# Altium PCB rv_ledbrick_8ch.PcbDoc (part 2 of 3) (continued)
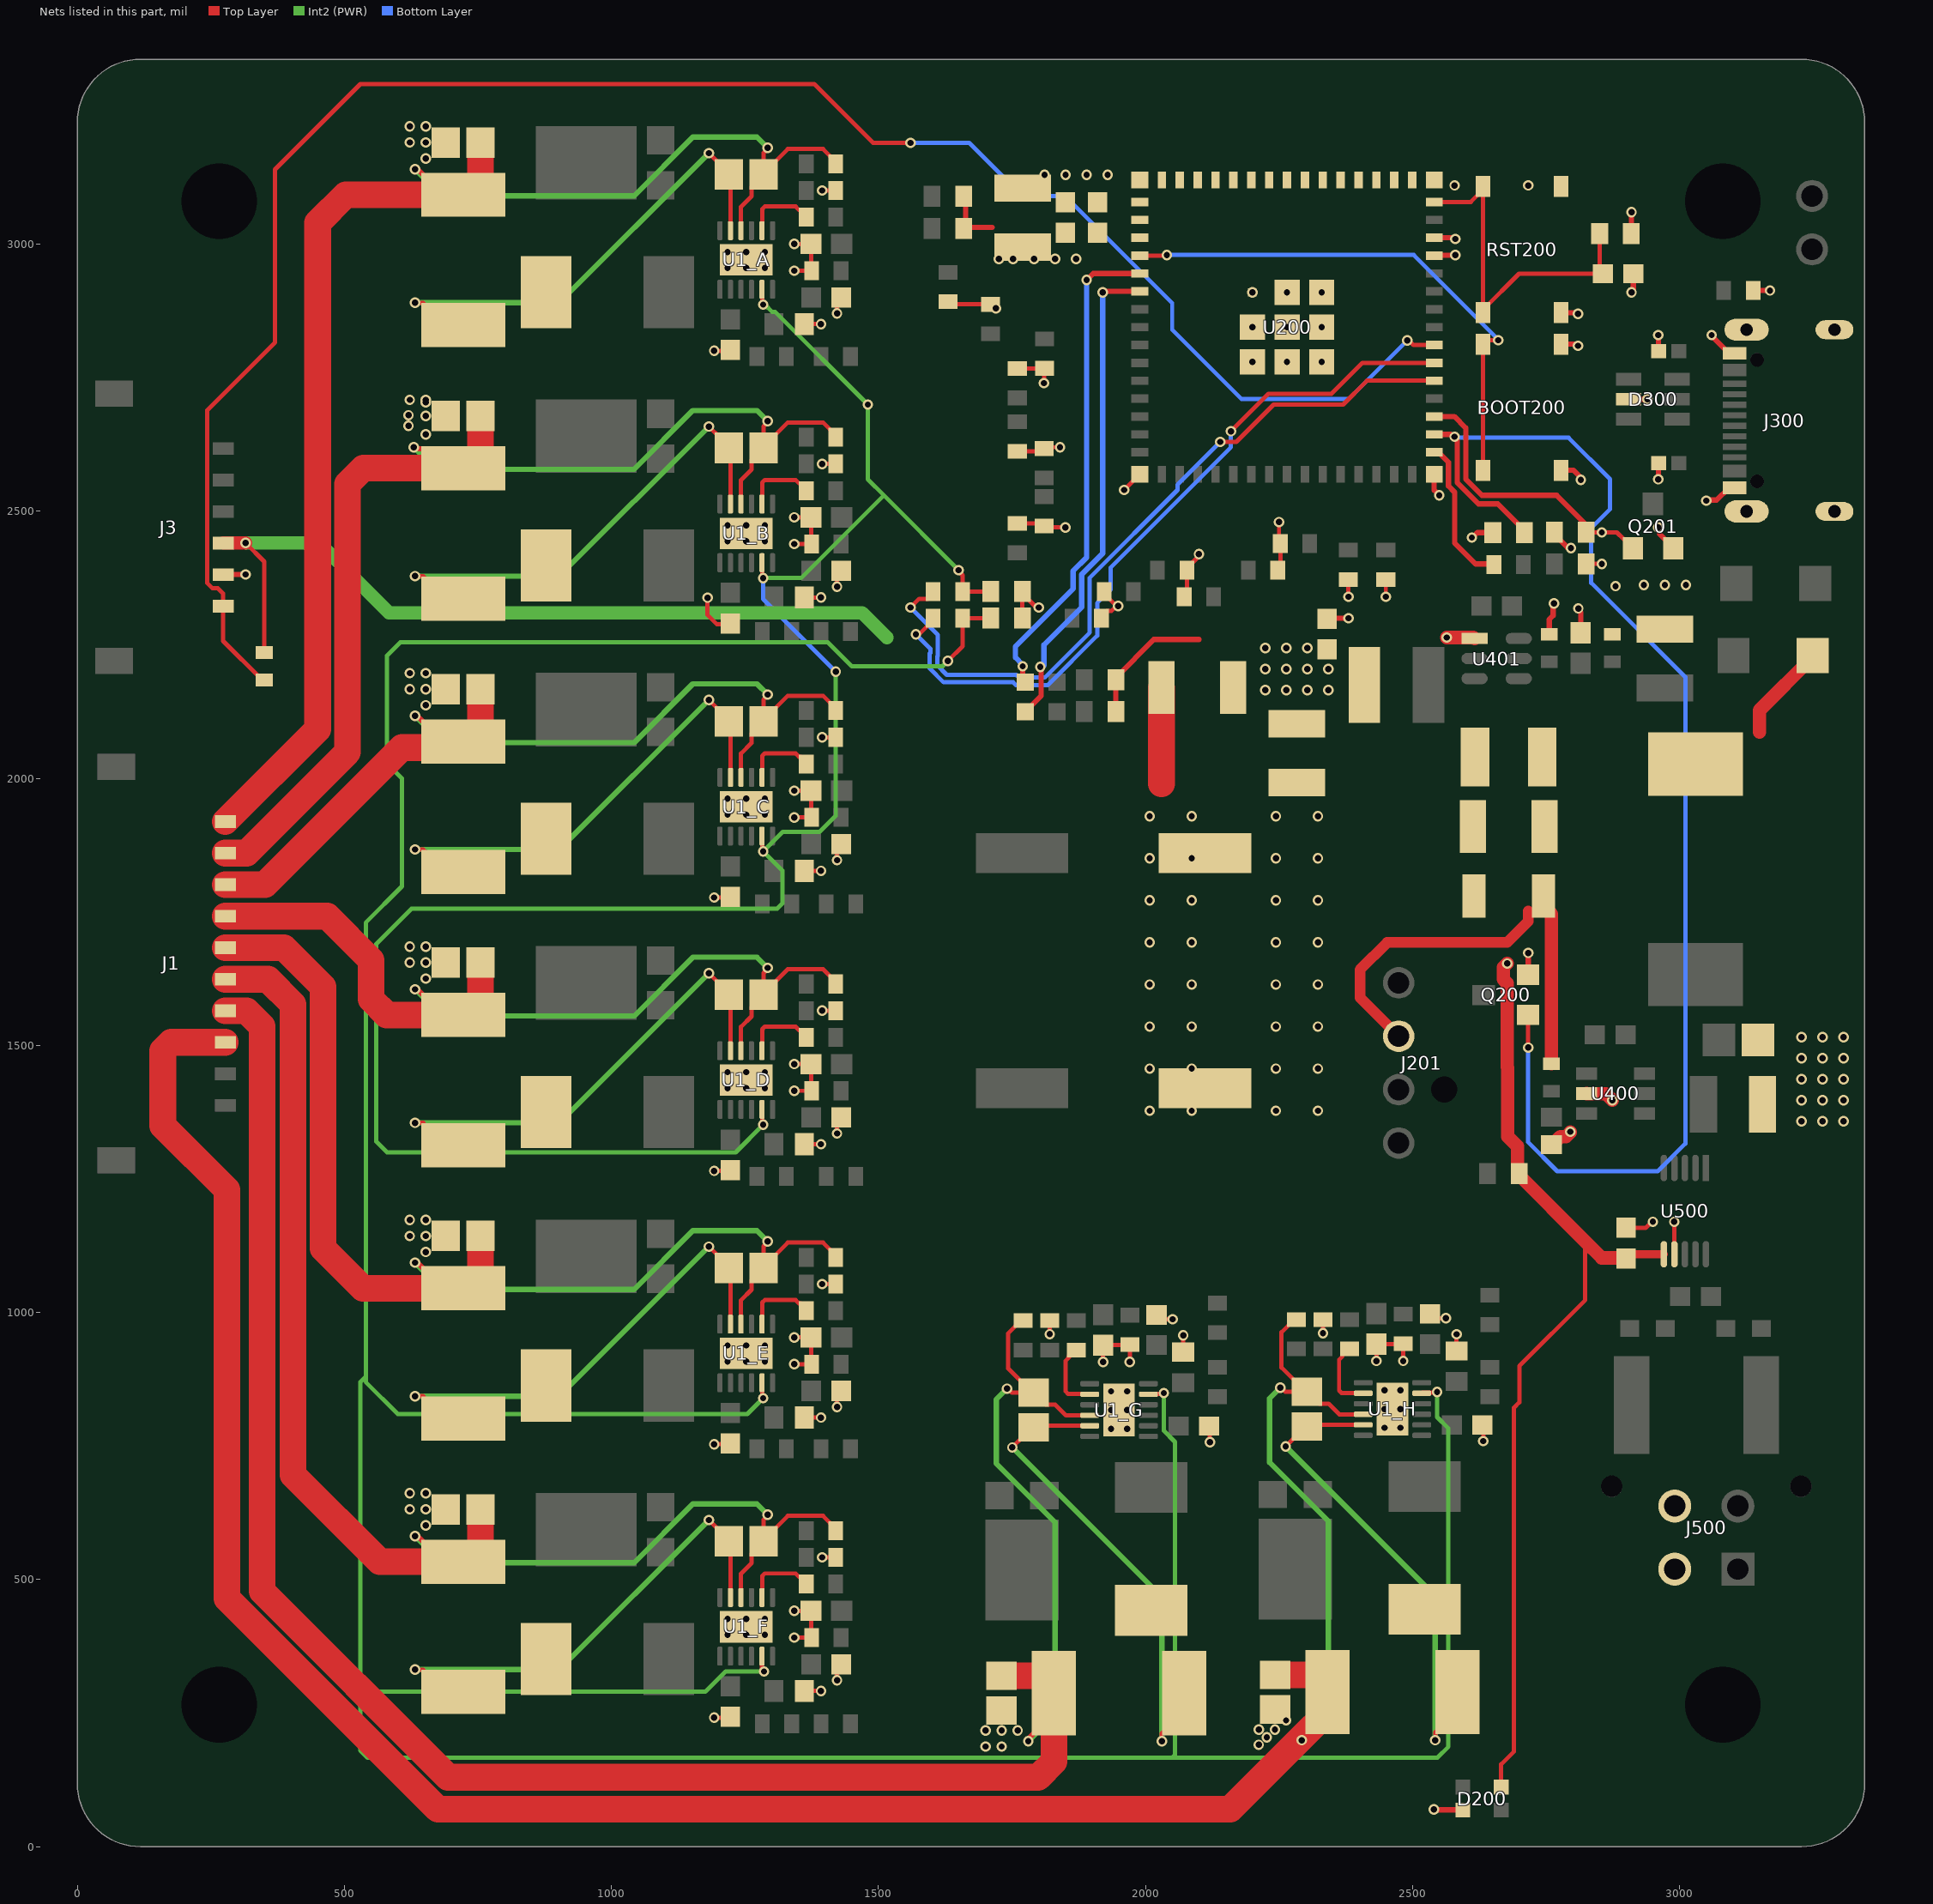
[diagram p4: the nets of this part, all layers, seen from the top]
## Part data (continued)
U500: library part CMP-015-00018-1, "Power Supply Support Circuit, Adjustable, 1 Channel, PDSO10"

## Free pads (board coordinates)
  round 0 hole 141.73 unplated: 2(265.75,265.75) 3(265.75,3080.71) 4(3080.71,265.75) 5(3080.71,3080.71)

## Via types
v1: diameter 19.68, hole 11.81, Top Layer to Bottom Layer, tented both sides, 556 vias

## Nets (pads, with @x,y where several pads share a name; then routed paths per layer and width w, separated by ;. In a path a pad name is that pad's centre, name@x,y a point inside that pad or via, vN(x,y) a via of type N, cw(c..) or ccw(c..) an arc to the next point about the centre after c; other vN are vias at no path point)
1W: J3.6 R10.1 U200.37 | length 3620.2
  Top Layer w8: R10.1@350,2184.41 346.06,2184.41 272.99,2257.48 J3.6@272.99,2322.36 272.99,2346.17 263.35,2355.82 252.95,2355.82 243.31,2365.46 243.31,2689.39 370,2816.08 370,3140 530,3300 1380,3300 1490,3190 v1(1560,3190) ; v1(2490,2820) 2493.16,2820 2501.67,2811.5 U200.37@2540.55,2811.5
  Bottom Layer w8: v1(1560,3190) 1670,3190 1770,3090 1850,3090 2050,2890 2050,2840 2180,2710 2380,2710 v1(2490,2820)
3V3: C200.1 C201.1 C202.2 C203.1 C405.2 C408.1 C409.1 C500.1 D200.4 J3.4 L401.2 R10.2 R201.2 R202.2 R204.2 R205.2 R206.2 R221.2 R226.2 R227.2 R230.2 R401.2 U200.3 U500.6 | length 4000.7
  Top Layer w8: J3.4@272.99,2440.47 J3.4@273.23,2440.71 ; v1@314.72,2440.71 v1(314.96,2440.94) 350,2405.91 R10.2@350,2235.59 ; R227.2@1769.53,2300 R226.2@1769.53,2346.06 ; R226.2@1769.53,2350 R226.2@1769.53,2346.06 ; v1(1800,2320) 1798.52,2321.48 1794.11,2321.48 R226.2@1769.53,2346.06 ; D200.4@2666.02,111.65 2666.02,154.2 2690,178.18 2690,822 2700,832 2700,900 2823.35,1023.35 2823.35,1133.35 ; R221.2@2824.8,2401.57 v1(2854.33,2401.57) ; C500.1@2899.02,1102.36 C500.1@2900,1101.38 C500.1@2907.88,1109.26
  Top Layer w10: R202.2@1663.39,3090.55 1663.39,3031.5 1712.6,3031.5 ; R206.2@1944.53,2125 R205.2@1944.53,2185 1944.53,2188.94 2015.59,2260 2100,2260 ; R401.2@2755.91,2269.68 2755.91,2297.65 2763.12,2304.86 2763.12,2325.64 v1(2764.97,2327.5) ; v1(2810.38,2318.25) 2810.38,2315.63 2814.96,2311.05 C408.1@2814.96,2272.67 ; R204.2@2909.53,3020 2910,3020.47 v1(2910,3060)
  Top Layer w15: C500.1@2907.88,1109.26 U500.6@2970.63,1109.26
  Top Layer w25: J3.4@273.23,2440.71 v1@314.72,2440.71 ; v1(2677.15,1653.53) 2670,1646.38 2670,1623.82 2677.04,1616.78 2677.04,1459.5 2678.19,1458.35 2678.19,1329.69 2696.28,1311.59 2696.28,1260.41 2823.35,1133.35 2854.33,1102.36 C500.1@2899.02,1102.36
  Int2 (PWR) w25: v1(314.96,2440.94) 452.76,2440.94 583.7,2310 1469.53,2310 1515.75,2263.78
  other v1: 2224.41,2165.35 2263.78,2165.35 2303.15,2165.35 2342.52,2165.35 2224.41,2204.72 2263.78,2204.72 2303.15,2204.72 2342.52,2204.72 2224.41,2244.09 2263.78,2244.09 2303.15,2244.09 1725.56,2972.44 1751.97,2972.44 1791.34,2972.44 1830.71,2972.44 1870.08,2972.44
12V: C403.1 C406.2 C407.1 D401.A J201.2 L400.2 R400.2 | length 1031.8
  Top Layer w20: J201.2@2474.02,1517.32 2401.57,1589.76 2401.57,1641.83 2452.66,1692.91 2677.17,1692.91 2716.54,1732.28 2716.54,1751.97
  Top Layer w25: C407.1@2744.96,1780 2744.96,1761.3 2760,1746.26 R400.2@2760,1465.59 ; 3149.61,2086.61 3149.61,2127.61 3249,2227 D401.A@3249,2230
BOOT: BOOT200.3 BOOT200.4 U200.4 | length 1005.9
  Top Layer w8: U200.4@1989.37,2978.82 2038.82,2978.82 v1(2040,2980) ; BOOT200.4@2632.17,2576.89 BOOT200.3@2632.17,2813.11 2639.46,2820.41 v1(2660.41,2820.41)
  Bottom Layer w8: v1(2040,2980) 2502.23,2980 2660.41,2821.82 v1(2660.41,2820.41)
COMP_A: R2_A.1 U1_A.8 | length 135.6
  Top Layer w8: U1_A.8@1281.97,3025.55 1282.44,3026.02 1282.44,3065.94 1287.13,3070.63 1344.88,3070.63 1351.17,3064.35 1355.1,3064.35 1364.88,3054.57 R2_A.1@1364.88,3050.63
COMP_B: R2_B.1 U1_B.8 | length 135.6
  Top Layer w8: U1_B.8@1281.97,2513.74 1282.44,2514.21 1282.44,2554.13 1287.13,2558.82 1344.88,2558.82 1351.17,2552.54 1355.1,2552.54 1364.88,2542.76 R2_B.1@1364.88,2538.82
COMP_C: R2_C.1 U1_C.8 | length 135.6
  Top Layer w8: U1_C.8@1281.97,2001.93 1282.44,2002.4 1282.44,2042.32 1287.13,2047.01 1344.88,2047.01 1351.17,2040.72 1355.1,2040.72 1364.88,2030.95 R2_C.1@1364.88,2027.01
COMP_D: R2_D.1 U1_D.8 | length 135.6
  Top Layer w8: U1_D.8@1281.97,1490.12 1282.44,1490.59 1282.44,1530.51 1287.13,1535.2 1344.88,1535.2 1351.17,1528.91 1355.1,1528.91 1364.88,1519.13 R2_D.1@1364.88,1515.2
COMP_E: R2_E.1 U1_E.8 | length 135.6
  Top Layer w8: U1_E.8@1281.97,978.31 1282.44,978.78 1282.44,1018.7 1287.13,1023.39 1344.88,1023.39 1351.17,1017.1 1355.1,1017.1 1364.88,1007.32 R2_E.1@1364.88,1003.39
COMP_F: R2_F.1 U1_F.8 | length 135.6
  Top Layer w8: U1_F.8@1281.97,466.5 1282.44,466.97 1282.44,506.89 1287.13,511.57 1344.88,511.57 1351.17,505.29 1355.1,505.29 1364.88,495.51 R2_F.1@1364.88,491.57
COMP_G: R2_G.1 U1_G.8 | length 135.6
  Top Layer w8: R2_G.1@1870.63,929.92 1866.69,929.92 1856.91,920.14 1856.91,916.2 1850.63,909.92 1850.63,852.17 1855.32,847.48 1895.24,847.48 U1_G.8@1895.71,847.01
COMP_H: R2_H.1 U1_H.8 | length 135.6
  Top Layer w8: R2_H.1@2382.44,931.81 2378.5,931.81 2368.72,922.03 2368.72,918.09 2362.44,911.81 2362.44,854.06 2367.13,849.37 2407.05,849.37 U1_H.8@2407.52,848.9
CSN_A: C1_A.2 L1_A.2 R1_A.1 U1_A.11 | length 831.9
  Top Layer w8: v1(632.44,2890.63) 647.7,2890.63 662.44,2875.89 R1_A.1@662.44,2860.63 ; v1(1182.44,3170.63) C1_A.2@1202.44,3150.63 ; C1_A.2@1219.96,3110.63 1222.91,3107.68 U1_A.11@1222.91,3025.55
  Int2 (PWR) w10: v1(632.44,2890.63) 902.44,2890.63 v1(1182.44,3170.63)
CSN_B: C1_B.2 L1_B.2 R1_B.1 U1_B.11 | length 831.9
  Top Layer w8: v1(632.44,2378.82) 647.7,2378.82 662.44,2364.08 R1_B.1@662.44,2348.82 ; v1(1182.44,2658.82) C1_B.2@1202.44,2638.82 ; C1_B.2@1219.96,2598.82 1222.91,2595.87 U1_B.11@1222.91,2513.74
  Int2 (PWR) w10: v1(632.44,2378.82) 902.44,2378.82 v1(1182.44,2658.82)
CSN_C: C1_C.2 L1_C.2 R1_C.1 U1_C.11 | length 831.9
  Top Layer w8: v1(632.44,1867.01) 647.7,1867.01 662.44,1852.27 R1_C.1@662.44,1837.01 ; v1(1182.44,2147.01) C1_C.2@1202.44,2127.01 ; C1_C.2@1219.96,2087.01 1222.91,2084.06 U1_C.11@1222.91,2001.93
  Int2 (PWR) w10: v1(632.44,1867.01) 902.44,1867.01 v1(1182.44,2147.01)
CSN_D: C1_D.2 L1_D.2 R1_D.1 U1_D.11 | length 831.9
  Top Layer w8: v1(632.44,1355.2) 647.7,1355.2 662.44,1340.46 R1_D.1@662.44,1325.2 ; v1(1182.44,1635.2) C1_D.2@1202.44,1615.2 ; C1_D.2@1219.96,1575.2 1222.91,1572.24 U1_D.11@1222.91,1490.12
  Int2 (PWR) w10: v1(632.44,1355.2) 902.44,1355.2 v1(1182.44,1635.2)
CSN_E: C1_E.2 L1_E.2 R1_E.1 U1_E.11 | length 831.9
  Top Layer w8: v1(632.44,843.39) 647.7,843.39 662.44,828.65 R1_E.1@662.44,813.39 ; v1(1182.44,1123.39) C1_E.2@1202.44,1103.39 ; C1_E.2@1219.96,1063.39 1222.91,1060.43 U1_E.11@1222.91,978.31
  Int2 (PWR) w10: v1(632.44,843.39) 902.44,843.39 v1(1182.44,1123.39)
CSN_F: C1_F.2 L1_F.2 R1_F.1 U1_F.11 | length 831.9
  Top Layer w8: v1(632.44,331.57) 647.7,331.57 662.44,316.83 R1_F.1@662.44,301.57 ; v1(1182.44,611.57) C1_F.2@1202.44,591.57 ; C1_F.2@1219.96,551.57 1222.91,548.62 U1_F.11@1222.91,466.5
  Int2 (PWR) w10: v1(632.44,331.57) 902.44,331.57 v1(1182.44,611.57)
CSN_G: C1_G.2 L1_G.2 R1_G.1 U1_G.11 | length 831.9
  Top Layer w8: v1(1750.63,747.48) C1_G.2@1770.63,767.48 ; C1_G.2@1810.63,785 1813.58,787.95 U1_G.11@1895.71,787.95 ; v1(2030.63,197.48) 2030.63,212.74 2045.37,227.48 R1_G.1@2060.63,227.48
  Int2 (PWR) w10: v1(1750.63,747.48) 2030.63,467.48 v1(2030.63,197.48)
CSN_H: C1_H.2 L1_H.2 R1_H.1 U1_H.11 | length 831.9
  Top Layer w8: v1(2262.44,749.37) C1_H.2@2282.44,769.37 ; C1_H.2@2322.44,786.89 2325.39,789.84 U1_H.11@2407.52,789.84 ; v1(2542.44,199.37) 2542.44,214.63 2557.18,229.37 R1_H.1@2572.44,229.37
  Int2 (PWR) w10: v1(2262.44,749.37) 2542.44,469.37 v1(2542.44,199.37)
CSP_A: C1_A.1 C3_A.2 J1.1 R1_A.2 R4_A.2 U1_A.10 | length 2710
  Top Layer w8: R1_A.2@754.92,3128.15 R1_A.2@762.44,3120.63 ; U1_A.10@1242.6,3025.55 1242.6,3070.34 1262.35,3090.09 1262.35,3108.06 C1_A.1@1284.92,3130.63 C1_A.1@1284.92,3133.11 ; v1(1292.44,3180.63) 1292.44,3178.69 1284.92,3171.17 C1_A.1@1284.92,3133.11 ; R4_A.2@1420,3150.63 1420,3154.57 1396.22,3178.35 1330.16,3178.35 C1_A.1@1284.92,3133.11
  Top Layer w10: v1(632.44,3140.63) 633.54,3139.53 638.19,3139.53 R1_A.2@685.04,3092.68
  Top Layer w50: J1.1@277.17,1919.29 450,2092.13 450,3040 502.68,3092.68 685.04,3092.68 R1_A.2@722.44,3092.68 ; R1_A.2@754.92,3128.15 C3_A.2@754.92,3190.63
  Int2 (PWR) w10: v1(632.44,3140.63) 682.44,3090.63 1042.44,3090.63 1152.44,3200.63 1272.44,3200.63 v1(1292.44,3180.63)
CSP_B: C1_B.1 C3_B.2 J1.2 R1_B.2 R4_B.2 U1_B.10 | length 2259.2
  Top Layer w8: R1_B.2@754.92,2616.34 R1_B.2@762.44,2608.82 ; U1_B.10@1242.6,2513.74 1242.6,2558.53 1262.35,2578.28 1262.35,2596.24 C1_B.1@1284.92,2618.82 C1_B.1@1284.92,2621.3 ; v1(1292.44,2668.82) 1292.44,2666.88 1284.92,2659.36 C1_B.1@1284.92,2621.3 ; R4_B.2@1420,2638.82 1420,2642.76 1396.22,2666.54 1330.16,2666.54 C1_B.1@1284.92,2621.3
  Top Layer w10: v1(630,2620) 632.62,2620 635.42,2617.2 648.7,2617.2 R1_B.2@685.04,2580.87
  Top Layer w50: J1.2@277.17,1860.24 317.21,1860.24 506,2049.02 506,2551.58 535.29,2580.87 685.04,2580.87 R1_B.2@722.44,2580.87 ; R1_B.2@754.92,2616.34 C3_B.2@754.92,2678.82
  Int2 (PWR) w10: v1(630,2620) 671.18,2578.82 1042.44,2578.82 1152.44,2688.82 1272.44,2688.82 v1(1292.44,2668.82)
CSP_C: C1_C.1 C3_C.2 J1.3 R1_C.2 R4_C.2 U1_C.10 | length 1742.3
  Top Layer w8: R1_C.2@754.92,2104.53 R1_C.2@762.44,2097.01 ; U1_C.10@1242.6,2001.93 1242.6,2046.72 1262.35,2066.46 1262.35,2084.43 C1_C.1@1284.92,2107.01 C1_C.1@1284.92,2109.49 ; v1(1292.44,2157.01) 1292.44,2155.07 1284.92,2147.55 C1_C.1@1284.92,2109.49 ; R4_C.2@1420,2127.01 1420,2130.95 1396.22,2154.72 1330.16,2154.72 C1_C.1@1284.92,2109.49
  Top Layer w10: v1(632.44,2117.01) 633.54,2115.91 638.19,2115.91 R1_C.2@685.04,2069.06
  Top Layer w50: J1.3@277.17,1801.18 351.18,1801.18 607.68,2057.68 673.66,2057.68 R1_C.2@685.04,2069.06 ; R1_C.2@754.92,2104.53 C3_C.2@754.92,2167.01
  Int2 (PWR) w10: v1(632.44,2117.01) 682.44,2067.01 1042.44,2067.01 1152.44,2177.01 1272.44,2177.01 v1(1292.44,2157.01)
CSP_D: C1_D.1 C3_D.2 J1.4 R1_D.2 R4_D.2 U1_D.10 | length 1788.4
  Top Layer w8: R1_D.2@754.92,1592.72 R1_D.2@762.44,1585.2 ; U1_D.10@1242.6,1490.12 1242.6,1534.91 1262.35,1554.65 1262.35,1572.62 C1_D.1@1284.92,1595.2 C1_D.1@1284.92,1597.68 ; v1(1292.44,1645.2) 1292.44,1643.26 1284.92,1635.74 C1_D.1@1284.92,1597.68 ; R4_D.2@1420,1615.2 1420,1619.13 1396.22,1642.91 1330.16,1642.91 C1_D.1@1284.92,1597.68
  Top Layer w10: v1(632.44,1605.2) 633.54,1604.1 638.19,1604.1 R1_D.2@685.04,1557.24
  Top Layer w50: J1.4@277.17,1742.13 467.87,1742.13 550,1660 550,1586.53 579.29,1557.24 685.04,1557.24 R1_D.2@722.44,1557.24 ; R1_D.2@754.92,1592.72 C3_D.2@754.92,1655.2
  Int2 (PWR) w10: v1(632.44,1605.2) 682.44,1555.2 1042.44,1555.2 1152.44,1665.2 1272.44,1665.2 v1(1292.44,1645.2)
CSP_E: C1_E.1 C3_E.2 J1.5 R1_E.2 R4_E.2 U1_E.10 | length 2219.9
  Top Layer w8: R1_E.2@754.92,1080.91 R1_E.2@762.44,1073.39 ; U1_E.10@1242.6,978.31 1242.6,1023.09 1262.35,1042.84 1262.35,1060.81 C1_E.1@1284.92,1083.39 C1_E.1@1284.92,1085.87 ; v1(1292.44,1133.39) 1292.44,1131.45 1284.92,1123.93 C1_E.1@1284.92,1085.87 ; R4_E.2@1420,1103.39 1420,1107.32 1396.22,1131.1 1330.16,1131.1 C1_E.1@1284.92,1085.87
  Top Layer w10: v1(632.44,1093.39) 633.54,1092.29 638.19,1092.29 R1_E.2@685.04,1045.43
  Top Layer w50: J1.5@277.17,1683.07 386.93,1683.07 460,1610 460,1120 534.57,1045.43 685.04,1045.43 R1_E.2@722.44,1045.43 ; R1_E.2@754.92,1080.91 C3_E.2@754.92,1143.39
  Int2 (PWR) w10: v1(632.44,1093.39) 682.44,1043.39 1042.44,1043.39 1152.44,1153.39 1272.44,1153.39 v1(1292.44,1133.39)
CSP_F: C1_F.1 C3_F.2 J1.6 R1_F.2 R4_F.2 U1_F.10 | length 2636.4
  Top Layer w8: R1_F.2@754.92,569.09 R1_F.2@762.44,561.57 ; U1_F.10@1242.6,466.5 1242.6,511.28 1262.35,531.03 1262.35,549 C1_F.1@1284.92,571.57 C1_F.1@1284.92,574.06 ; v1(1292.44,621.57) 1292.44,619.64 1284.92,612.12 C1_F.1@1284.92,574.06 ; R4_F.2@1420,591.57 1420,595.51 1396.22,619.29 1330.16,619.29 C1_F.1@1284.92,574.06
  Top Layer w10: v1(632.44,581.57) 633.54,580.48 638.19,580.48 R1_F.2@685.04,533.62
  Top Layer w50: J1.6@277.17,1624.02 356.94,1624.02 404,1576.96 404,696 566.38,533.62 685.04,533.62 R1_F.2@722.44,533.62 ; R1_F.2@754.92,569.09 C3_F.2@754.92,631.57
  Int2 (PWR) w10: v1(632.44,581.57) 682.44,531.57 1042.44,531.57 1152.44,641.57 1272.44,641.57 v1(1292.44,621.57)
CSP_G: C1_G.1 C3_G.2 J1.7 R1_G.2 R4_G.2 U1_G.10 | length 4129
  Top Layer w8: v1(1740.63,857.48) 1742.57,857.48 1750.09,849.96 C1_G.1@1788.15,849.96 ; R4_G.2@1770.63,985.04 1766.69,985.04 1742.91,961.26 1742.91,895.2 C1_G.1@1788.15,849.96 ; R1_G.2@1793.11,319.96 R1_G.2@1800.63,327.48 ; U1_G.10@1895.71,807.64 1850.92,807.64 1831.17,827.39 1813.2,827.39 C1_G.1@1790.63,849.96 C1_G.1@1788.15,849.96
  Top Layer w10: v1(1780.63,197.48) 1781.73,198.58 1781.73,203.23 R1_G.2@1828.58,250.08
  Top Layer w50: J1.7@277.17,1564.96 316.59,1564.96 345.88,1535.67 345.88,478.31 694.2,130 1799.29,130 1828.58,159.29 1828.58,250.08 R1_G.2@1828.58,287.48 ; C3_G.2@1730.63,319.96 R1_G.2@1793.11,319.96
  Int2 (PWR) w10: v1(1740.63,857.48) 1720.63,837.48 1720.63,717.48 1830.63,607.48 1830.63,247.48 v1(1780.63,197.48)
CSP_H: C1_H.1 C3_H.2 J1.8 R1_H.2 R4_H.2 U1_H.10 | length 4686.2
  Top Layer w8: v1(2252.44,859.37) 2254.38,859.37 2261.9,851.85 C1_H.1@2299.96,851.85 ; R4_H.2@2282.44,986.93 2278.5,986.93 2254.72,963.15 2254.72,897.09 C1_H.1@2299.96,851.85 ; R1_H.2@2304.92,321.85 R1_H.2@2312.44,329.37 ; U1_H.10@2407.52,809.53 2362.73,809.53 2342.98,829.28 2325.02,829.28 C1_H.1@2302.44,851.85 C1_H.1@2299.96,851.85
  Top Layer w50: J1.8@277.17,1505.91 175.91,1505.91 160,1490 160,1350 280,1230 280,465 675,70 2158.43,70 2290.12,201.69 2340.39,251.97 R1_H.2@2340.39,289.37 ; C3_H.2@2242.44,321.85 R1_H.2@2304.92,321.85
  Int2 (PWR) w10: v1(2252.44,859.37) 2232.44,839.37 2232.44,719.37 2342.44,609.37 2342.44,249.37 v1(2292.44,199.37)
EN: C206.1 R204.1 RST200.3 RST200.4 U200.45 | length 666.9
  Top Layer w8: U200.45@2540.55,3079.21 2609.17,3079.21 RST200.3@2632.17,3102.2 ; RST200.4@2632.17,2871.89 RST200.4@2632.17,2877.8 ; RST200.3@2632.17,3108.11 RST200.3@2632.17,3102.2 ; R204.1@2850.47,3020 2850.47,2950.91 C206.1@2856.38,2945 2699.37,2945 RST200.4@2632.17,2877.8 ; RST200.4@2632.17,2877.8 RST200.3@2632.17,3102.2
F1: R226.1 R228.2 U1_A.5 U1_B.5 U1_C.5 U1_D.5 | length 3854.5
  Top Layer w8: U1_D.5@1281.97,1380.28 1282.89,1379.35 1282.89,1352.94 v1(1284.24,1351.59) ; U1_C.5@1281.97,1892.09 1282.89,1891.17 1282.89,1864.75 v1(1284.24,1863.4) ; U1_B.5@1281.97,2403.9 1282.89,2402.98 1282.89,2376.56 v1(1284.24,2375.21) ; U1_A.5@1281.97,2915.71 1282.89,2914.79 1282.89,2888.37 v1(1284.24,2887.02) ; v1(1650,2390) 1650,2387.9 1657.56,2380.34 R228.2@1657.56,2350 R226.1@1710.47,2350
  Int2 (PWR) w8: v1@1283.26,1860 1283.26,1862.42 1320.84,1900 1390,1900 1420,1930 v1(1420,2200) ; v1(1284.24,1351.59) 1232.65,1300 580,1300 560,1320 560,1690.31 625.86,1756.17 1310.31,1756.17 1320,1765.86 1320,1827.64 v1(1284.24,1863.4) ; v1(1284.24,2375.21) 1355.21,2375.21 1510,2530 ; v1(1284.24,2887.02) 1287.32,2887.02 1301.22,2873.12 1306.88,2873.12 v1(1480,2700) 1480,2560 1510,2530 ; v1(1650,2390) 1510,2530
  Bottom Layer w8: v1(1284.24,2375.21) 1284.24,2335.76 v1(1420,2200)
F2: R227.1 R229.2 U1_E.5 U1_F.5 U1_G.5 U1_H.5 | length 8420.7
  Top Layer w8: U1_F.5@1281.97,356.65 1281.97,331.84 v1(1285.73,328.08) ; U1_E.5@1281.97,868.46 1282.89,867.54 1282.89,841.13 v1(1284.24,839.78) ; v1(1630,2220) 1657.56,2247.56 R229.2@1657.56,2300 R227.1@1710.47,2300 ; U1_G.5@2005.55,847.01 2006.47,847.93 2032.89,847.93 v1(2034.24,849.28) ; U1_H.5@2517.36,848.9 2518.28,849.82 2544.7,849.82 v1(2546.05,851.17)
  Int2 (PWR) w8: v1(1284.24,839.78) 1254.46,810 600,810 540,870 540,880 ; v1(1285.73,328.08) 1213.86,328.08 1175.78,290 530,290 ; v1(1630,2220) 1620,2210 1450,2210 1405,2255 605,2255 580,2230 580,2027.85 607.85,2000 607.85,1797.85 540,1730 540,880 ; v1(2034.24,849.28) 2034.24,778.78 2055.31,757.71 2055.31,171.95 2050,166.64 ; v1(2546.05,851.17) 2546.05,804.38 2567.13,783.31 2567.13,187.13 2546.64,166.64 2050,166.64 ; 530,290 530,870 540,880 ; 530,290 530,180 543.36,166.64 2050,166.64
FANPWM: Q201.1 R222.2 U200.33 | length 533
  Top Layer w8: R222.2@2824.8,2460.63 v1(2854.33,2460.63) 2882.6,2460.63 2895.6,2447.63 2897.6,2447.63 2912.6,2432.63 Q201.1@2912.6,2430.63
  Top Layer w10: U200.33@2540.55,2677.64 2578.27,2677.64 2599.58,2656.32 2599.58,2560.45 2630.03,2530 2770,2530 R222.2@2830,2470
FANPWR: Q200.1 R223.2 U200.32 | length 2527
  Top Layer w8: v1(2716.54,1496.06) Q200.1@2716.54,1557.09
  Top Layer w10: U200.32@2540.55,2644.17 2571.71,2644.17 2576.18,2639.7 v1(2578.74,2639.7) 2578.74,2637.08 2583.58,2632.24 2583.58,2553.82 2623.41,2514 2659.46,2514 2709.53,2463.94 R223.2@2709.53,2460
  Bottom Layer w8: v1(2578.74,2639.7) 2580.65,2637.8 2792.2,2637.8 2869.84,2560.16 2869.84,2504.2 2834.49,2468.85 2834.49,2366.04 3010.76,2189.78 3010.76,1316.31 2958.97,1264.53 2770.91,1264.53 2716.54,1318.9 v1(2716.54,1496.06)
FANTACH: R224.1 U200.31 | length 277.4
  Top Layer w10: U200.31@2540.55,2610.71 2543.43,2607.83 2551.3,2607.83 2567.3,2591.83 2567.3,2547.48 2578.74,2536.04 2578.74,2440.94 2618.11,2401.57 R224.1@2649.61,2401.57
FAULT1: R228.1 U200.35 | length 1423
  Top Layer w8: v1(1560,2320) 1576.28,2336.28 1592.66,2336.28 1602.44,2346.06 R228.1@1602.44,2350 ; v1(2140,2630) 2170,2630 2240,2700 2370,2700 2414.57,2744.57 U200.35@2540.55,2744.57
  Bottom Layer w8: v1(1560,2320) 1611.01,2268.99 1611.01,2229.07 1610.16,2228.22 1610.16,2211.78 1627.94,2194 1757.94,2194 1763.22,2188.72 1811.2,2188.72 1895.61,2273.12 1895.61,2375.61 2060,2540 2060,2550 v1(2140,2630)
FAULT2: R229.1 U200.36 | length 1407.5
  Top Layer w8: v1(1570,2270) 1572.24,2272.24 1578.61,2272.24 1602.44,2296.06 R229.1@1602.44,2300 ; v1(2160,2650) 2230,2720 2348.23,2720 2406.26,2778.03 U200.36@2540.55,2778.03
  Bottom Layer w8: v1(1570,2270) 1597.01,2242.99 1597.01,2234.87 1596.16,2234.02 1596.16,2205.98 1622.14,2180 1641.94,2180 1752.14,2180 1757.42,2174.72 1817,2174.72 1909.61,2267.32 1909.61,2328.39 1935,2353.79 1935,2395 2160,2620 v1(2160,2650)
GND: BOOT200.1 BOOT200.2 C2_A.1 C2_B.1 C2_C.1 C2_D.1 C2_E.1 C2_F.1 C2_G.1 C2_H.1 C3_A.1 C3_B.1 C3_C.1 C3_D.1 C3_E.1 C3_F.1 C3_G.1 C3_H.1 C4_A.2 C4_B.2 C4_C.2 C4_D.2 C4_E.2 C4_F.2 C4_G.2 C4_H.2 C5.1 C6.1 C200.2 C201.2 C202.1 C203.2 C206.2 C400.1 C402.1 C403.2 C405.1 C406.1 C407.2 C409.2 C410.1 C500.2 D200.2 D300.2 J3.5 J300.A1_B12 J300.B1_A12 J300.SH1 J300.SH2 J300.SH3 J300.SH4 J500.2 J500.4 Q200.2 Q201.2 R3_A.1 R3_B.1 R3_C.1 R3_D.1 R3_E.1 R3_F.1 R3_G.1 R3_H.1 R5_A.1 R5_B.1 R5_C.1 R5_D.1 R5_E.1 R5_F.1 R5_G.1 R5_H.1 R6_A.1 R6_B.1 R6_C.1 R6_D.1 R6_E.1 R6_F.1 R6_G.1 R6_H.1 R7_A.1 R7_B.1 R7_C.1 R7_D.1 R7_E.1 R7_F.1 R7_G.1 R7_H.1 R200.1 R203.1 R207.1 R208.1 R209.1 R210.1 R211.1 R212.1 R213.1 R214.1 R215.1 R216.1 R217.1 R218.1 R219.1 R220.1 R222.1 R223.1 R225.1 R300.1 R301.1 R402.1 R403.1 RST200.1 RST200.2 U1_A.13 U1_B.13 U1_C.13 U1_D.13 U1_E.13 U1_F.13 U1_G.13 U1_H.13 U200.1 U200.2 U200.42 U200.43 U200.46 U200.47 U200.48 U200.49 U200.50 U200.51 U200.52 U200.53 U200.54 U200.55 U200.56 U200.57 U200.58 U200.59 U200.60 U200.61 U200.61_1 U200.61_2 U200.61_3 U200.61_4 U200.61_5 U200.61_6 U200.61_7 U200.61_8 U200.62 U200.63 U200.64 U200.65 U400.2 U401.1 U500.7 | length 3981
  Top Layer w8: v1(1180,2338.34) 1180,2305.95 1197.13,2288.82 1221.06,2288.82 C2_B.1@1222.44,2290.2 ; v1(1192.44,241.57) 1221.06,241.57 C2_F.1@1222.44,242.95 ; v1(1192.44,753.39) 1221.06,753.39 C2_E.1@1222.44,754.76 ; v1(1192.44,1265.2) 1221.06,1265.2 C2_D.1@1222.44,1266.58 ; v1(1192.44,1777.01) 1221.06,1777.01 C2_C.1@1222.44,1778.39 ; v1(1192.44,2800.63) 1221.06,2800.63 C2_A.1@1222.44,2802.01 ; v1(1342.44,391.57) R3_F.1@1374.88,391.57 1373.86,392.59 C4_F.2@1373.86,441.57 v1(1342.44,441.57) ; v1(1342.44,903.39) R3_E.1@1374.88,903.39 1373.86,904.4 C4_E.2@1373.86,953.39 v1(1342.44,953.39) ; v1(1342.44,1415.2) R3_D.1@1374.88,1415.2 1373.86,1416.21 C4_D.2@1373.86,1465.2 v1(1342.44,1465.2) ; v1(1342.44,1927.01) R3_C.1@1374.88,1927.01 1373.86,1928.03 C4_C.2@1373.86,1977.01 v1(1342.44,1977.01) ; v1(1342.44,2438.82) R3_B.1@1374.88,2438.82 1373.86,2439.84 C4_B.2@1373.86,2488.82 v1(1342.44,2488.82) ; v1(1342.44,2950.63) R3_A.1@1374.88,2950.63 1373.86,2951.65 C4_A.2@1373.86,3000.63 v1(1342.44,3000.63) ; R6_F.1@1360.98,291.57 v1(1392.44,291.57) ; R6_E.1@1360.98,803.39 v1(1392.44,803.39) ; R6_D.1@1360.98,1315.2 v1(1392.44,1315.2) ; R6_C.1@1360.98,1827.01 v1(1392.44,1827.01) ; R6_B.1@1360.98,2338.82 v1(1392.44,2338.82) ; R6_A.1@1360.98,2850.63 v1(1392.44,2850.63) ; v1(1394.5,541.57) R7_F.1@1420,541.57 ; v1(1394.5,1053.39) R7_E.1@1420,1053.39 ; v1(1394.5,1565.2) R7_D.1@1420,1565.2 ; v1(1394.5,2077.01) R7_C.1@1420,2077.01 ; v1(1394.5,2588.82) R7_B.1@1420,2588.82 ; v1(1394.5,3100.63) R7_A.1@1420,3100.63 ; v1(1422.44,311.57) 1422.44,333.41 R5_F.1@1430.61,341.57 ; v1(1422.44,823.39) 1422.44,845.22 R5_E.1@1430.61,853.39 ; v1(1422.44,1335.2) 1422.44,1357.03 R5_D.1@1430.61,1365.2 ; v1(1422.44,1847.01) 1422.44,1868.84 R5_C.1@1430.61,1877.01 ; v1(1422.44,2358.82) 1422.44,2380.65 R5_B.1@1430.61,2388.82 ; v1(1422.44,2870.63) 1422.44,2892.46 R5_A.1@1430.61,2900.63 ; R203.1@1620,2887.56 R200.1@1710,2887.56 1717.56,2880 v1(1719.84,2880) ; R211.1@1760,2477.56 1804.88,2477.56 R212.1@1810,2472.44 1812.44,2470 v1(1850,2470) ; R210.1@1760,2612.44 1804.88,2612.44 R209.1@1810,2617.56 1812.44,2620 v1(1840,2620) ; R207.1@1760,2767.56 1760.16,2767.72 R208.1@1811.02,2767.72 1810,2766.69 v1(1810,2740) ; v1(1820.63,959.54) R7_G.1@1820.63,985.04 ; R214.1@1917.56,2300 1917.56,2303.94 1927.34,2313.72 1936.54,2313.72 v1@1945.66,2322.83 ; v1(1920.63,907.48) C4_G.2@1920.63,938.9 1969.61,938.9 R3_G.1@1970.63,939.92 v1(1970.63,907.48) ; R213.1@1922.44,2350 1922.44,2346.06 v1@1945.67,2322.83 ; v1(1960,2540) U200.63@1989.37,2569.37 ; R5_G.1@2020.63,995.65 2028.8,987.48 v1(2050.63,987.48) ; R6_G.1@2070.63,926.02 v1(2070.63,957.48) ; R215.1@2072.44,2340 2077.56,2345.12 R216.1@2077.56,2390 2077.56,2393.94 2098.52,2414.9 2098.52,2418.52 v1(2100,2420) ; C2_G.1@2119.25,787.48 2120.63,786.1 v1(2120.63,757.48) ; R218.1@2247.56,2390 2252.44,2394.88 R217.1@2252.44,2440 2250,2442.44 v1(2250,2480) ; v1(2332.44,961.43) R7_H.1@2332.44,986.93 ; v1(2380,2340) R220.1@2380,2372.44 ; v1(2432.44,909.37) C4_H.2@2432.44,940.79 2481.42,940.79 R3_H.1@2482.44,941.81 v1(2482.44,909.37) ; v1(2450,2340) R219.1@2450,2372.44 ; R5_H.1@2532.44,997.54 2540.61,989.37 v1(2562.44,989.37) ; R6_H.1@2582.44,927.91 v1(2582.44,959.37) ; C2_H.1@2631.06,789.37 2632.44,787.99 v1(2632.44,759.37) ; C500.2@2900,1158.62 2936.53,1158.62 2947.9,1170 v1(2950,1170) ; v1(2990,1170) 2990.16,1169.84 2990.16,1109.42 U500.7@2990.32,1109.26 ; v1@1945.66,2322.83 v1(1948.82,2322.83) v1@1945.67,2322.83
  Top Layer w10: J3.5@272.99,2381.42 273.23,2381.65 314.72,2381.65 v1(314.96,2381.89) ; C200.2@2340,2298.62 2341.38,2300 v1(2380,2300) ; v1(2540,70) 2540.83,69.17 2593.15,69.17 D200.2@2593.98,68.35 ; U200.64@2540.55,2569.37 2540.55,2539.45 v1(2550,2530) ; U200.42@2540.55,2978.82 2541.14,2979.41 2579.41,2979.41 v1(2580,2980) ; U200.43@2540.55,3012.28 2576.16,3012.28 2578.44,3010 v1(2580,3010) ; v1(2610.97,2450.97) 2612.27,2450.97 2621.3,2460 R223.1@2650.47,2460 ; Q200.2@2716.54,1632.49 v1(2716.54,1673.23) ; R222.1@2765.75,2460.63 2765.75,2456.69 2789.49,2432.96 2794.79,2432.96 v1(2796.64,2431.1) ; BOOT200.2@2777.83,2576.89 2801.55,2576.89 2813.11,2565.34 2813.11,2560.91 v1(2814.96,2559.06) ; BOOT200.1@2777.83,2813.11 2805.33,2813.11 2808.44,2810 v1(2810,2810) ; RST200.2@2777.83,2871.89 2806.55,2871.89 2808.44,2870 v1(2810,2870) ; D300.2@2904.72,2710 v1(2940,2710) ; v1(2910,2910) 2910,2911.56 2913.62,2915.18 C206.2@2913.62,2945 ; v1(2960,2470) 2961.85,2468.15 2961.85,2458.78 2988,2432.63 Q201.2@2988,2430.63 ; v1(2960,2560) 2960.58,2560.58 2960.58,2589.42 R300.1@2961.16,2590 ; v1(2960,2830) 2960.58,2829.42 2960.58,2800.58 R301.1@2961.16,2800 ; v1(3050,2520) 3051.1,2521.1 3069.45,2521.1 3092.36,2544.02 J300.A1_B12@3102.99,2544.02 ; v1(3060,2830) 3061.1,2828.9 3061.1,2827.25 3092.36,2795.98 J300.B1_A12@3102.99,2795.98 ; R225.1@3137.8,2913.39 v1(3169.29,2913.39)
  Top Layer w25: v1(2564.19,2263.78) 2614.16,2263.78 U401.1@2616.13,2261.81 ; R402.1@2760,1314.41 2761.97,1314.41 2776.93,1329.37 2787.35,1329.37 2795.58,1337.6 v1(2795.58,1338.4) ; U400.2@2825.87,1410 2826.56,1409.31 2862.34,1409.31 v1(2874.02,1397.64) ; C402.1@3155.12,1390 C402.1@3155.12,1417.56
  Top Layer w50: 2030,1990 C409.2@2030,2170
  other v1: 1700.63,187.48 1730.63,187.48 2212.03,190.84 2227.03,204.79 1700.63,217.48 1730.63,217.48 1760.63,217.48 2212.44,219.37 2242.44,219.37 2263.25,236.5 1217.44,396.57 1252.44,396.57 1287.44,396.57 1217.44,426.57 1252.44,426.57 1287.44,426.57 652.44,601.57 622.44,631.57 652.44,631.57 622.44,661.57 652.44,661.57 1935.63,782.48 1965.63,782.48 2447.44,784.37 2477.44,784.37 1935.63,817.48 1965.63,817.48 2447.44,819.37 2477.44,819.37 1935.63,852.48 1965.63,852.48 2447.44,854.37 2477.44,854.37 1217.44,908.39 1252.44,908.39 1287.44,908.39 1217.44,938.39 1252.44,938.39 1287.44,938.39 652.44,1113.39 622.44,1143.39 652.44,1143.39 622.44,1173.39 652.44,1173.39 3228.35,1358.27 3267.72,1358.27 3307.09,1358.27 2007.87,1377.95 2086.61,1377.95 2244.09,1377.95 2322.83,1377.95 3228.35,1397.64 3267.72,1397.64 3307.09,1397.64 1217.44,1420.2 1252.44,1420.2 1287.44,1420.2 3228.35,1437.01 3267.72,1437.01 3307.09,1437.01 1217.44,1450.2 1252.44,1450.2 1287.44,1450.2 2007.87,1456.69 2086.61,1456.69 2244.09,1456.69 2322.83,1456.69 3228.35,1476.38 3267.72,1476.38 3307.09,1476.38 3228.35,1515.75 3267.72,1515.75 3307.09,1515.75 2007.87,1535.43 2086.61,1535.43 2244.09,1535.43 2322.83,1535.43 2007.87,1614.17 2086.61,1614.17 2244.09,1614.17 2322.83,1614.17 652.44,1625.2 622.44,1655.2 652.44,1655.2 622.44,1685.2 652.44,1685.2 2007.87,1692.91 2086.61,1692.91 2244.09,1692.91 2322.83,1692.91 2007.87,1771.65 2086.61,1771.65 2244.09,1771.65 2322.83,1771.65 2007.87,1850.39 2086.61,1850.39 2244.09,1850.39 2322.83,1850.39 2007.87,1929.13 2086.61,1929.13 2244.09,1929.13 2322.83,1929.13 1217.44,1932.01 1252.44,1932.01 1287.44,1932.01 1217.44,1962.01 1252.44,1962.01 1287.44,1962.01 652.44,2137.01 622.44,2167.01 652.44,2167.01 622.44,2197.01 652.44,2197.01 2880,2360 2933.07,2362.2 2972.44,2362.2 3011.81,2362.2 1217.44,2443.82 1252.44,2443.82 1287.44,2443.82 1217.44,2473.82 1252.44,2473.82 1287.44,2473.82 652.44,2644.09 620,2660 652.44,2678.82 620,2680 652.44,2704.09 622.44,2708.82 652.44,2708.82 2200,2780 2264.96,2780 2329.92,2780 2200,2844.96 2264.96,2844.96 2329.92,2844.96 2200,2909.92 2264.96,2909.92 2329.92,2909.92 1217.44,2955.63 1252.44,2955.63 1287.44,2955.63 1217.44,2985.63 1252.44,2985.63 1287.44,2985.63 2578.74,3110.24 2716.54,3110.24 1811.02,3129.92 1850.39,3129.92 1889.76,3129.92 1929.13,3129.92 652.44,3160.63 622.44,3190.63 652.44,3190.63 622.44,3220.63 652.44,3220.63
LED0: LED200.C U200.5 | length 920.6
  Top Layer w10: v1(1770,2210) 1770,2185 LED200.C@1775,2180 ; v1(1889.76,2933.07) 1902.05,2945.35 U200.5@1989.37,2945.35
  Bottom Layer w10: v1(1770,2210) 1770,2212.62 1756.53,2226.09 1756.53,2247.05 1864.61,2355.13 1864.61,2388.45 1889.76,2413.6 v1(1889.76,2933.07)
LED1: LED201.C U200.6 | length 919
  Top Layer w10: LED201.C@1775,2125 1804.76,2154.76 1804.76,2206.78 v1(1802.98,2208.56) ; v1(1920,2910) 1921.89,2911.89 U200.6@1989.37,2911.89
  Bottom Layer w10: v1(1802.98,2208.56) 1805.6,2208.56 1808.74,2211.7 1810,2211.7 1810,2250 1880.61,2320.61 1880.61,2381.82 1920,2421.21 v1(1920,2910)